# KiCad board AudioInputPCB_Unbalanced.kicad_pcb
title: Unbalanced Analog Audio Input Board for Small DSP; date: 2024-04-21; rev: 2.0; company: Till Heuer
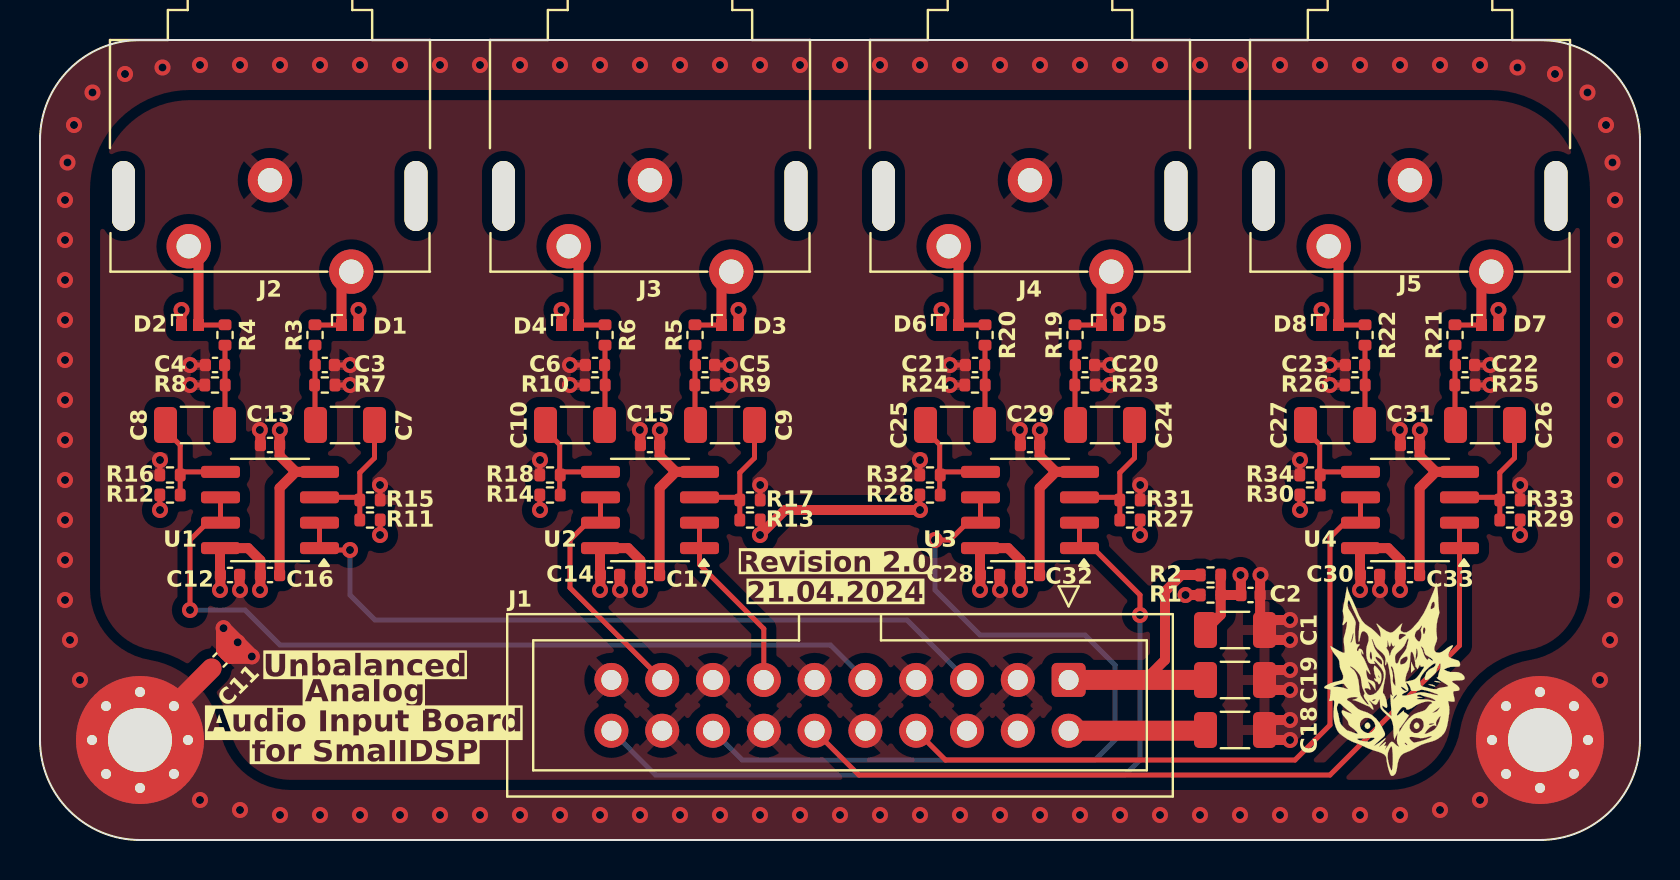
[diagram p0: board, top side]
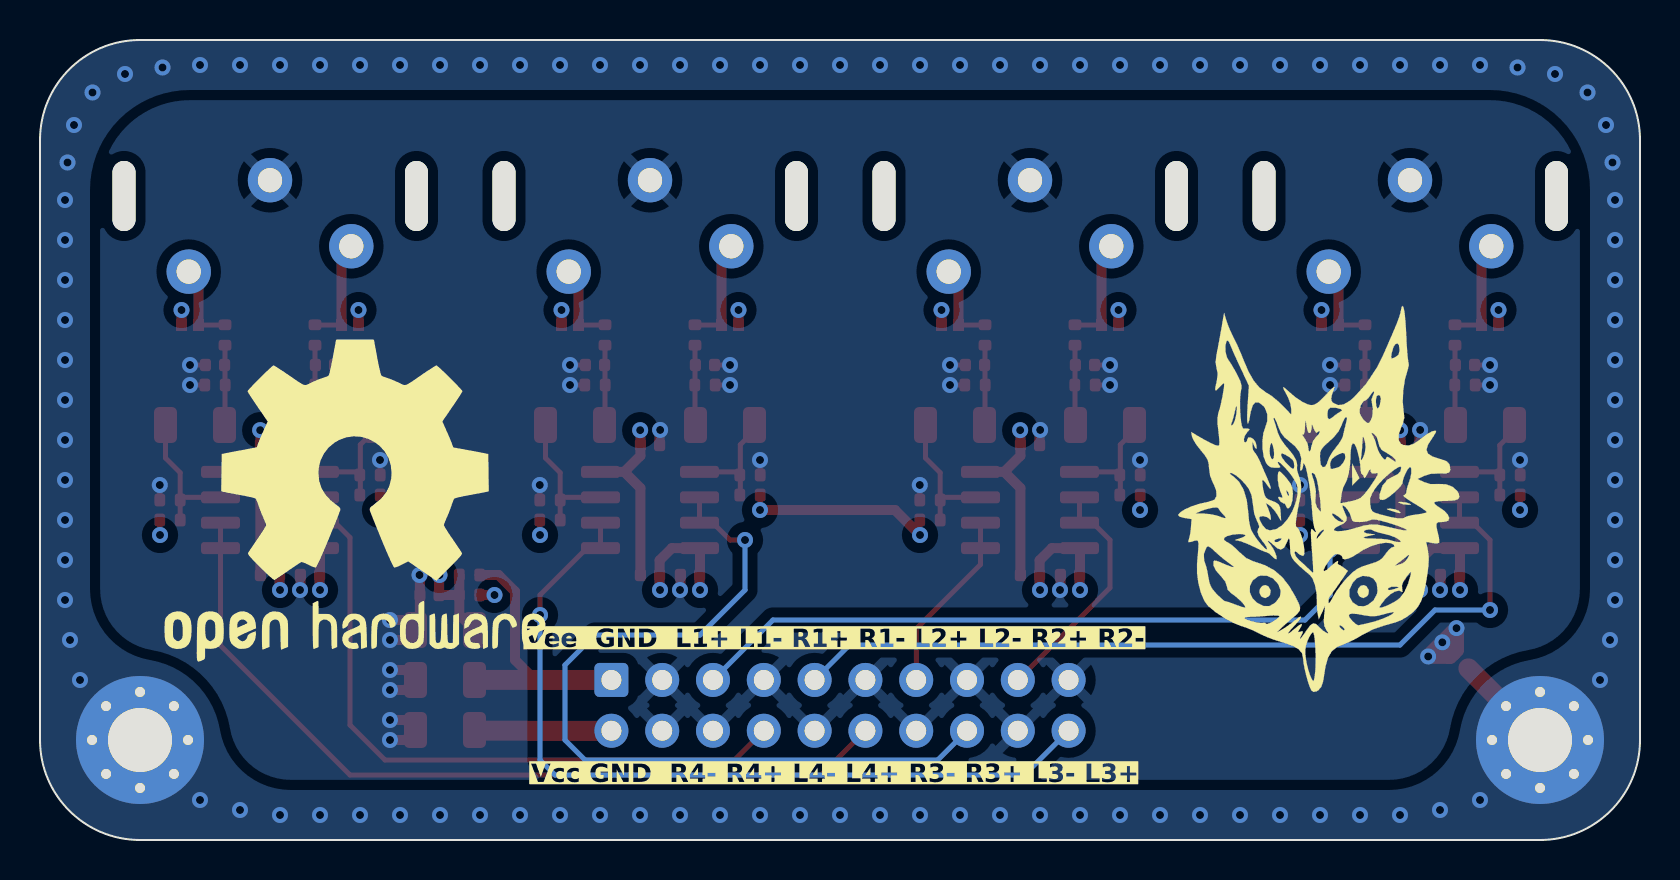
[diagram p1: board, bottom side, seen from below]

Outline 80 x 40 mm; copper layers: Top, In1.Cu, In2.Cu, Bottom. Coordinates in mm from the lower left corner of the outline.
Outline path: 0,35 0,5 arc(1.46,1.46) 5,0 75,0 arc(78.54,1.46) 80,5 80,35 arc(78.54,38.54) 75,40 5,40 arc(1.46,38.54) 0,35
Stack: Top 0.035mm / dielectric 0.1mm FR4 er 4.5 / In1.Cu 0.035mm / dielectric 1.24mm FR4 er 4.5 / In2.Cu 0.035mm / dielectric 0.1mm FR4 er 4.5 / Bottom 0.035mm

## Placement (name value [footprint] x y rotation side)
C1  10u  [C_1206_3216Metric]  59.75 10.5 180 top  (not fitted)
C2  100n  [C_0402_1005Metric]  60.53 12.25 0 top  (not fitted)
C3  100p  [C_0402_1005Metric]  14.24 23.75 180 top
C4  100p  [C_0402_1005Metric]  8.75 23.75 0 top
C5  100p  [C_0402_1005Metric]  33.25 23.75 180 top
C6  100p  [C_0402_1005Metric]  27.75 23.75 0 top
C7  10u  [C_1206_3216Metric]  15.25 20.75 0 top
C8  10u  [C_1206_3216Metric]  7.75 20.75 180 top
C9  10u  [C_1206_3216Metric]  34.25 20.75 0 top
C10  10u  [C_1206_3216Metric]  26.75 20.75 180 top
C11  100n  [C_0402_1005Metric]  9 9 45 top
C12  100n  [C_0402_1005Metric]  9.5 13.25 0 top
C13  100n  [C_0402_1005Metric]  11.5 19.75 0 top
C14  100n  [C_0402_1005Metric]  28.5 13.25 0 top
C15  100n  [C_0402_1005Metric]  30.5 19.75 0 top
C16  100n  [C_0402_1005Metric]  11.5 13.25 0 top
C17  100n  [C_0402_1005Metric]  30.5 13.25 0 top
C18  10u  [C_1206_3216Metric]  59.75 5.5 180 top
C19  10u  [C_1206_3216Metric]  59.75 8 0 top
C20  100p  [C_0402_1005Metric]  52.25 23.75 180 top
C21  100p  [C_0402_1005Metric]  46.75 23.75 0 top
C22  100p  [C_0402_1005Metric]  71.25 23.75 180 top
C23  100p  [C_0402_1005Metric]  65.75 23.75 0 top
C24  10u  [C_1206_3216Metric]  53.25 20.75 0 top
C25  10u  [C_1206_3216Metric]  45.75 20.75 180 top
C26  10u  [C_1206_3216Metric]  72.25 20.75 0 top
C27  10u  [C_1206_3216Metric]  64.75 20.75 180 top
C28  100n  [C_0402_1005Metric]  47.5 13.25 0 top
C29  100n  [C_0402_1005Metric]  49.5 19.75 0 top
C30  100n  [C_0402_1005Metric]  66.5 13.25 0 top
C31  100n  [C_0402_1005Metric]  68.5 19.75 0 top
C32  100n  [C_0402_1005Metric]  49.5 13.25 0 top
C33  100n  [C_0402_1005Metric]  68.5 13.25 0 top
D1  PESD18VF1BL  [DFN1006-2]  15.5 25.75 0 top
D2  PESD18VF1BL  [DFN1006-2]  7.5 25.75 0 top
D3  PESD18VF1BL  [DFN1006-2]  34.5 25.75 0 top
D4  PESD18VF1BL  [DFN1006-2]  26.5 25.75 0 top
D5  PESD18VF1BL  [DFN1006-2]  53.5 25.75 0 top
D6  PESD18VF1BL  [DFN1006-2]  45.5 25.75 0 top
D7  PESD18VF1BL  [DFN1006-2]  72.5 25.75 0 top
D8  PESD18VF1BL  [DFN1006-2]  64.5 25.75 0 top
G***  LOGO  [Strix_paint_600dpi]  67.75 8 0 top
G***#2  LOGO  [OpenHardware_600dpi]  64.25 17 180 bottom
G***#3  LOGO  [Strix_paint_300dpi]  16 17 180 bottom
H1  MountingHole_Pad  [MountingHole_3.2mm_M3_Pad_Via]  5 5 0 top
H2  MountingHole_Pad  [MountingHole_3.2mm_M3_Pad_Via]  75 5 0 top
J1  IDC  [IDC-Header_2x10_P2.54mm_Vertical]  51.43 8 270 top
J2  RCA x2  [Kobiconn_156-4219-E]  11.5 40 0 top
J3  RCA x2  [Kobiconn_156-4219-E]  30.5 40 0 top
J4  RCA x2  [Kobiconn_156-4219-E]  49.5 40 0 top
J5  RCA x2  [Kobiconn_156-4219-E]  68.5 40 0 top
R1  10k  [R_0402_1005Metric]  58.53 12.25 0 top  (not fitted)
R2  10k  [R_0402_1005Metric]  58.53 13.25 180 top  (not fitted)
R3  100R  [R_0402_1005Metric]  13.75 25.25 270 top
R4  100R  [R_0402_1005Metric]  9.25 25.25 270 top
R5  100R  [R_0402_1005Metric]  32.75 25.25 270 top
R6  100R  [R_0402_1005Metric]  28.25 25.25 270 top
R7  220k  [R_0402_1005Metric]  14.24 22.75 0 top
R8  220k  [R_0402_1005Metric]  8.75 22.75 180 top
R9  220k  [R_0402_1005Metric]  33.25 22.75 0 top
R10  220k  [R_0402_1005Metric]  27.75 22.75 180 top
R11  100k  [R_0402_1005Metric]  16.5 16 0 top  (not fitted)
R12  100k  [R_0402_1005Metric]  6.5 17.25 180 top  (not fitted)
R13  100k  [R_0402_1005Metric]  35.5 16 0 top  (not fitted)
R14  100k  [R_0402_1005Metric]  25.5 17.25 180 top  (not fitted)
R15  100k  [R_0402_1005Metric]  16.5 17 0 top
R16  100k  [R_0402_1005Metric]  6.5 18.25 180 top
R17  100k  [R_0402_1005Metric]  35.5 17 0 top
R18  100k  [R_0402_1005Metric]  25.5 18.25 180 top
R19  100R  [R_0402_1005Metric]  51.75 25.25 270 top
R20  100R  [R_0402_1005Metric]  47.25 25.25 270 top
R21  100R  [R_0402_1005Metric]  70.75 25.25 270 top
R22  100R  [R_0402_1005Metric]  66.25 25.25 270 top
R23  220k  [R_0402_1005Metric]  52.25 22.75 0 top
R24  220k  [R_0402_1005Metric]  46.75 22.75 180 top
R25  220k  [R_0402_1005Metric]  71.25 22.75 0 top
R26  220k  [R_0402_1005Metric]  65.75 22.75 180 top
R27  100k  [R_0402_1005Metric]  54.5 16 0 top  (not fitted)
R28  100k  [R_0402_1005Metric]  44.5 17.25 180 top  (not fitted)
R29  100k  [R_0402_1005Metric]  73.5 16 0 top  (not fitted)
R30  100k  [R_0402_1005Metric]  63.5 17.25 180 top  (not fitted)
R31  100k  [R_0402_1005Metric]  54.5 17 0 top
R32  100k  [R_0402_1005Metric]  44.5 18.25 180 top
R33  100k  [R_0402_1005Metric]  73.5 17 0 top
R34  100k  [R_0402_1005Metric]  63.5 18.25 180 top
U1  NE5532  [SOIC-8_3.9x4.9mm_P1.27mm]  11.5 16.5 180 top
U2  NE5532  [SOIC-8_3.9x4.9mm_P1.27mm]  30.5 16.5 180 top
U3  NE5532  [SOIC-8_3.9x4.9mm_P1.27mm]  49.5 16.5 180 top
U4  NE5532  [SOIC-8_3.9x4.9mm_P1.27mm]  68.5 16.5 180 top

## Library data of the parts
C1 C7-C10 C18 C19 C24-C27 = -: Assembling: X; ki_fp_filters: C_*
C2 C16 C17 C32 C33 = -: Dielectric: X7R; Notes: -25%@10VDC; Rated Voltage: 50V; Assembling: X; Manufacturer: Samsung Electro-Mechanics; Part Number: CL05B104KB54PNC; Tolerance: 10%; LCSC Part #: C307331; ki_fp_filters: C_*
C3-C6 C20-C23 = -: Dielectric: C0G; Rated Voltage: 50V; Assembling: X; Manufacturer: FH (Guangdong Fenghua Advanced Tech); Part Number: 0402CG101J500NT; Tolerance: 5%; LCSC Part #: C1546; ki_fp_filters: C_*
C11-C15 C28-C31 = -: Assembling: X; Dielectric: X7R; LCSC Part #: C307331; Manufacturer: Samsung Electro-Mechanics; Notes: -25%@10VDC; Part Number: CL05B104KB54PNC; Rated Voltage: 50V; Tolerance: 10%; ki_fp_filters: C_*
D1 D3-D8 = -: Datasheet: https://www.lcsc.com/datasheet/lcsc_datasheet_2304140030_Nexperia-PESD18VF1BL_C265127.pdf; Description: Bidirectional TVS diode 18V working voltage; Assembling: X; LCSC Part #: C265127; Manufacturer: Nexperia; Notes: Alternative: C686660; ki_fp_filters: TO-???* *_Diode_* *SingleDiode* D_*
D2 = -: Datasheet: https://www.lcsc.com/datasheet/lcsc_datasheet_2304140030_Nexperia-PESD18VF1BL_C265127.pdf; Description: Bidirectional TVS diode 18V working voltage; Notes: Alternative: C686660; Assembling: X; Manufacturer: Nexperia; LCSC Part #: C265127; ki_fp_filters: TO-???* *_Diode_* *SingleDiode* D_*
H1 H2 = -: LCSC Part #: -; Manufacturer: -; Part Number: -; ki_fp_filters: MountingHole*Pad*
J1 = -: LCSC Part #: -; Manufacturer: Amphenol; Part Number: T821120A1S100CEU; ki_fp_filters: Connector*:*_2x??_*
J2-J5 = -: LCSC Part #: -; Manufacturer: Kobiconn; Part Number: 156-4219-E; ki_fp_filters: *BNC* *SMA* *SMB* *SMC* *Cinch* *LEMO*
R1 R2 = -: Assembling: X; Manufacturer: UNI-ROYAL(Uniroyal Elec); Rated Power: 62.5mW; Part Number: 0402WGF1002TCE; Tolerance: 1%; ki_fp_filters: R_*
R3-R6 R19-R22 = -: Assembling: X; Manufacturer: UNI-ROYAL(Uniroyal Elec); Part Number: 0402WGF1000TCE; Rated Power: 62.5mW; Tolerance: 1%; LCSC Part #: C25076; ki_fp_filters: R_*
R7 = -: Assembling: X; LCSC Part #: C25767; Manufacturer: UNI-ROYAL(Uniroyal Elec); Part Number: 0402WGF2203TCE; Rated Power: 62.5mW; Tolerance: 1%; ki_fp_filters: R_*
R8-R10 R23-R26 = -: Assembling: X; Manufacturer: UNI-ROYAL(Uniroyal Elec); Rated Power: 62.5mW; Part Number: 0402WGF2203TCE; Tolerance: 1%; LCSC Part #: C25767; ki_fp_filters: R_*
R11-R18 R27-R34 = -: Assembling: X; Manufacturer: UNI-ROYAL(Uniroyal Elec); Rated Power: 62.5mW; Part Number: 0402WGF1003TCE; Tolerance: 1%; ki_fp_filters: R_*
U1 = -: Manufacturer: Texas Instruments; Part Number: NE5532DR; Assembling: X; LCSC Part #: C7426; ki_fp_filters: SOIC*3.9x4.9mm*P1.27mm* DIP*W7.62mm* MSOP*3x3mm*P0.65mm* SSOP*2.95x2.8mm*P0.65mm* TSSOP*3x3mm*P0.65mm* VSSOP*P0.5mm* TO?99*
U2-U4 = -: Assembling: X; LCSC Part #: C7426; Manufacturer: Texas Instruments; Part Number: NE5532DR; ki_fp_filters: SOIC*3.9x4.9mm*P1.27mm* DIP*W7.62mm* MSOP*3x3mm*P0.65mm* SSOP*2.95x2.8mm*P0.65mm* TSSOP*3x3mm*P0.65mm* VSSOP*P0.5mm* TO?99*

## Footprints (pads in the part's own frame, mm; a bottom-side part is the same pattern mirrored in y, then rotated)
C_0402_1005Metric
  rrect 0.56x0.62 smd: 1(-0.48,0) 2(0.48,0)
C_1206_3216Metric
  rrect 1.15x1.8 smd: 1(-1.475,0) 2(1.475,0)
DFN1006-2
  rect 0.55x0.6 smd: 1(-0.425,0) 2(0.425,0)
IDC-Header_2x10_P2.54mm_Vertical
  rrect 1.7x1.7 hole 1: 1(0,0)
  round 1.7 hole 1: 2(2.54,0) 3(0,-2.54) 4(2.54,-2.54) 5(0,-5.08) 6(2.54,-5.08) 7(0,-7.62) 8(2.54,-7.62) 9(0,-10.16) 10(2.54,-10.16) 11(0,-12.7) 12(2.54,-12.7) 13(0,-15.24) 14(2.54,-15.24) 15(0,-17.78) 16(2.54,-17.78) 17(0,-20.32) 18(2.54,-20.32) 19(0,-22.86) 20(2.54,-22.86)
Kobiconn_156-4219-E
  oval 1.15x3.5 hole 1.15x3.5 unplated: (-7.325,-7.8) (7.3,-7.8)
  round 2.219 hole 1.219: 1(4.064,-11.582) 2(-4.064,-10.312) 3(0,-7.01)
MountingHole_3.2mm_M3_Pad_Via
  round 0.8 hole 0.5: 1(-2.4,0) 1(-1.697,1.697) 1(-1.697,-1.697) 1(0,2.4) 1(0,-2.4) 1(1.697,1.697) 1(1.697,-1.697) 1(2.4,0)
  round 6.4 hole 3.2: 1(0,0)
R_0402_1005Metric
  rrect 0.54x0.64 smd: 1(-0.51,0) 2(0.51,0)
SOIC-8_3.9x4.9mm_P1.27mm
  rrect 1.95x0.6 smd: 1(-2.475,1.905) 2(-2.475,0.635) 3(-2.475,-0.635) 4(-2.475,-1.905) 5(2.475,-1.905) 6(2.475,-0.635) 7(2.475,0.635) 8(2.475,1.905)

## Nets
GND: C1.1 C2.2 C3.1 C4.1 C5.1 C6.1 C11.2 C12.2 C13.1 C14.2 C15.1 C18.1 C19.2 C20.1 C21.1 C22.1 C23.1 C28.2 C29.1 C30.2 C31.1 J1.3 J1.4 J1.6 J1.7 J1.10 J1.11 J1.14 J1.15 J1.18 J1.19 J2.3 J3.3 J4.3 J5.3 R7.2 R8.2 R9.2 R10.2 R15.2 R16.2 R17.2 R18.2 R23.2 R24.2 R25.2 R26.2 R31.2 R32.2 R33.2 R34.2
VCC: C12.1 C14.1 C16.1 C17.1 C18.2 C28.1 C30.1 C32.1 C33.1 J1.2 R1.1 U1.8 U2.8 U3.8 U4.8
VEE: C13.2 C15.2 C16.2 C17.2 C19.1 C29.2 C31.2 C32.2 C33.2 J1.1 R2.2 U1.4 U2.4 U3.4 U4.4
/In L1+: J1.5 U1.1 U1.2
/In L2+: J1.13 U2.1 U2.2
/In L3+: J1.20 U3.1 U3.2
/In L4+: J1.12 U4.1 U4.2
/In R1+: J1.9 U1.6 U1.7
/In R2+: J1.17 U2.6 U2.7
/In R3+: J1.16 U3.6 U3.7
/In R4+: J1.8 U4.6 U4.7
Earth_Protective: C11.1 D1.2 D2.1 D3.2 D4.1 D5.2 D6.1 D7.2 D8.1 H1.1 H2.1
VCOM: C1.2 C2.1 R1.2 R2.1 R11.2 R12.2 R13.2 R14.2 R27.2 R28.2 R29.2 R30.2
Net-(C3-Pad2): C3.2 C7.1 R3.2 R7.1
Net-(C4-Pad2): C4.2 C8.1 R4.2 R8.1
Net-(C5-Pad2): C5.2 C9.1 R5.2 R9.1
Net-(C10-Pad1): C6.2 C10.1 R6.2 R10.1
Net-(C20-Pad2): C20.2 C24.1 R19.2 R23.1
Net-(C21-Pad2): C21.2 C25.1 R20.2 R24.1
Net-(C22-Pad2): C22.2 C26.1 R21.2 R25.1
Net-(C23-Pad2): C23.2 C27.1 R22.2 R26.1
Net-(D1-A1): D1.1 J2.1 R3.1
Net-(D2-A2): D2.2 J2.2 R4.1
Net-(D3-A1): D3.1 J3.1 R5.1
Net-(D4-A2): D4.2 J3.2 R6.1
Net-(D5-A1): D5.1 J4.1 R19.1
Net-(D6-A2): D6.2 J4.2 R20.1
Net-(D7-A1): D7.1 J5.1 R21.1
Net-(D8-A2): D8.2 J5.2 R22.1
Net-(U1A-+): C7.2 R11.1 R15.1 U1.3
Net-(U1B-+): C8.2 R12.1 R16.1 U1.5
Net-(U2A-+): C9.2 R13.1 R17.1 U2.3
Net-(U2B-+): C10.2 R14.1 R18.1 U2.5
Net-(U3A-+): C24.2 R27.1 R31.1 U3.3
Net-(U3B-+): C25.2 R28.1 R32.1 U3.5
Net-(U4A-+): C26.2 R29.1 R33.1 U4.3
Net-(U4B-+): C27.2 R30.1 R34.1 U4.5

## Via types
v1: diameter 0.8, hole 0.4, Top to Bottom, 178 vias

## Routing (per net, layer and track width the routed paths; a pad name or vN(x,y) marks a point on that pad's centre or on a via; arc(x,y) is an arc through that point)
GND: length 41.3
  Top w0.25: R8.2 v1(7.5,22.75) ; R18.2 24.99,18.99 v1(25,19) ; R16.2 5.99,18.99 v1(6,19) ; 52.75,22.75 v1(53.5,22.75) ; R32.2 43.99,18.99 v1(44,19) ; R24.2 v1(45.5,22.75) ; C4.1 v1(7.5,23.75) ; R10.2 v1(26.5,22.75) ; C23.1 v1(64.5,23.75) ; C6.1 v1(26.5,23.75) ; v1(74.01,17.75) R33.2 ; C21.1 v1(45.5,23.75) ; 33.75,22.75 v1(34.5,22.75) ; v1(55.01,17.75) R31.2 ; v1(63,19) 62.99,18.99 R34.2 ; C3.1 v1(15.5,23.75) ; 71.75,22.75 v1(72.5,22.75) ; 71.72,23.75 v1(72.5,23.75) ; R7.2 v1(15.5,22.75) ; 52.72,23.75 v1(53.5,23.75) ; v1(36.01,17.75) R17.2 ; R26.2 v1(64.5,22.75) ; v1(17,17.75) 17.01,17.74 R15.2 ; 33.72,23.75 v1(34.5,23.75)
  Top w0.5: C30.2 66.98,12.52 ; C13.1 11.02,20.48 v1(10.99,20.5) ; v1(62.5,10) 61.73,10 C1.1 ; C14.2 28.98,12.52 ; C1.1 61.73,11 v1(62.5,11) ; C1.1 61.01,10.72 C2.2 61,13.23 v1(61.03,13.25) ; v1(62.5,5) 61.73,5 C18.1 61.73,6 v1(62.5,6) ; C15.1 30.02,20.48 v1(29.99,20.5) ; C28.2 47.98,12.52 ; v1(62.5,8.5) 61.73,8.5 C19.2 61.73,7.5 v1(62.5,7.5) ; C29.1 49.02,20.48 v1(48.99,20.5) ; v1(67.99,20.5) 68.02,20.48 C31.1 ; C12.2 9.98,12.52
  Top w0.75: C11.2 9.5,9.18 v1(10.59,9.18) v1(9.18,10.59) 9.18,9.5 C11.2 ; C11.2 v1(9.88,9.88)
  vias: v1(10,12.5) v1(29,12.5) v1(48,12.5) v1(67,12.5)
VCC: length 30.3
  Top w0.5: 47.03,14.59 48.41,14.59 49.02,13.98 C32.1 49.02,12.52 v1(49,12.5) ; 66,13.27 66,14.47 ; v1(11,12.5) 11.02,12.52 C16.1 11.02,13.98 10.41,14.59 U1.8 ; C12.1 9.02,12.52 ; v1(68,12.5) 68.02,12.52 C33.1 68.02,13.98 67.41,14.59 66.03,14.59 ; 9,13.27 9,14.47 ; 47,13.27 47,14.47 ; 28.03,14.59 29.41,14.59 30.02,13.98 C17.1 30.02,12.52 v1(30,12.5) ; 28,13.27 28,14.47 ; C28.1 47.02,12.52 ; C14.1 28.02,12.52 ; C30.1 66.02,12.52 ; R1.1 v1(57.28,12.25)
  Top w1: J1.2 58.24,5.46 C18.2
  vias: v1(9,12.5) v1(28,12.5) v1(47,12.5) v1(66,12.5)
VEE: length 50.2
  Top w0.5: C16.2 11.98,17.6 12.78,18.41 ; v1(68.99,20.49) 68.98,20.48 C31.2 68.98,19.21 69.79,18.41 ; 69.79,18.41 U4.4 ; 69.79,18.41 68.98,17.6 C33.2 ; 12.78,18.41 U1.4 ; 12.78,18.41 11.98,19.21 C13.2 11.98,20.48 v1(11.99,20.49) ; v1(30.99,20.49) 30.98,20.48 C15.2 30.98,19.21 31.79,18.41 ; 50.79,18.41 49.98,17.6 C32.2 ; 50.79,18.41 49.98,19.21 C29.2 49.98,20.48 v1(49.99,20.49) ; 50.79,18.41 U3.4 ; 55.25,8 56.25,9 56.25,12.43 57.07,13.25 R2.2 ; C17.2 30.98,17.6 31.79,18.41 ; 31.79,18.41 U2.4
  Top w1: J1.1 58.27,8 C19.1
/In L1+: length 37.7
  Top w0.25: U1.2 U1.1 14.07,14.5 v1(15.5,14.5)
  Bottom w0.25: v1(15.5,14.5) 15.5,12.25 16.75,11 43.35,11 J1.5
/In L2+: length 9.2
  Top w0.25: J1.13 36.19,10.56 32.97,13.78 U2.1 U2.2
/In L3+: length 41.2
  Top w0.25: U3.2 U3.1 52.66,14.59 55,12.25 v1(55,11.25)
  Bottom w0.25: J1.20 30.78,3.25 54.25,3.25 55,4 v1(55,11.25)
/In L4+: length 42
  Top w0.25: J1.12 40.94,3.25 64.5,3.25 70.97,9.72 U4.1 U4.2
/In R1+: length 41.9
  Top w0.25: U1.6 U1.7 8.36,15.86 7.5,15 v1(7.5,11.5)
  Bottom w0.25: v1(7.5,11.5) 10.25,11.5 12,9.75 39.52,9.75 J1.9
/In R2+: length 12.1
  Top w0.25: 28.03,17.14 28.03,15.86 ; J1.17 26.5,12.61 26.5,15 27.36,15.86 U2.7
/In R3+: length 41.8
  Top w0.25: 47.03,17.14 47.03,15.86 ; v1(44.75,15) 45.5,15 46.36,15.86 U3.7
  Bottom w0.25: v1(44.75,15) 44.75,12.5 47,10.25 52.25,10.25 53.75,8.75 53.75,5 52.75,4 35.11,4 J1.16
/In R4+: length 34.5
  Top w0.25: 66.03,17.14 66.03,15.86 ; J1.8 45.27,4 62.75,4 64.5,5.75 64.5,15.12 65.24,15.86 U4.7
Earth_Protective: length 10.1
  Top w0.5: v1(26.08,26.5) D4.1 ; v1(15.92,26.5) D1.2 ; v1(72.92,26.5) D7.2 ; v1(34.92,26.5) D3.2 ; v1(7.08,26.5) D2.1 ; v1(45.08,26.5) D6.1 ; v1(64.08,26.5) D8.1 ; v1(53.92,26.5) D5.2 ; 5.5,5.5 H1.1
  Top w1: 5.5,4.5 H1.1 ; H1.1 8.58,8.58
  vias: v1(1.25,32) v1(1.25,30) v1(1.25,28) v1(1.25,24) v1(1.25,22) v1(1.25,20) v1(1.25,18) v1(1.25,16) v1(1.25,14) v1(1.25,12) v1(1.25,26) v1(1.38,33.88) v1(1.5,10) v1(1.7,35.75) v1(2,8) v1(2.62,37.38) v1(4.25,38.3) v1(6.12,38.62) v1(8,38.75) v1(8,2) v1(10,38.75) v1(10,1.5) v1(12,38.75) v1(12,1.25) v1(14,38.75) v1(14,1.25) v1(16,38.75) v1(16,1.25) v1(18,38.75) v1(18,1.25) v1(20,38.75) v1(20,1.25) v1(22,38.75) v1(22,1.25) v1(24,38.75) v1(24,1.25) v1(26,38.75) v1(26,1.25) v1(28,38.75) v1(28,1.25) v1(30,38.75) v1(30,1.25) v1(32,38.75) v1(32,1.25) v1(34,38.75) v1(34,1.25) v1(36,38.75) v1(36,1.25) v1(38,38.75) v1(38,1.25) v1(40,38.75) v1(40,1.25) v1(42,38.75) v1(42,1.25) v1(44,38.75) v1(44,1.25) v1(46,38.75) v1(46,1.25) v1(48,38.75) v1(48,1.25) v1(50,38.75) v1(50,1.25) v1(52,38.75) v1(52,1.25) v1(54,38.75) v1(54,1.25) v1(56,38.75) v1(56,1.25) v1(58,38.75) v1(58,1.25) v1(60,38.75) v1(60,1.25) v1(62,38.75) v1(62,1.25) v1(64,38.75) v1(64,1.25) v1(66,38.75) v1(66,1.25) v1(68,38.75) v1(68,1.25) v1(70,38.75) v1(70,1.5) v1(72,38.75) v1(72,2) v1(73.88,38.62) v1(75.75,38.3) v1(77.38,37.38) v1(78,8) v1(78.3,35.75) v1(78.5,10) v1(78.62,33.88) v1(78.75,22) v1(78.75,20) v1(78.75,18) v1(78.75,16) v1(78.75,14) v1(78.75,12) v1(78.75,32) v1(78.75,30) v1(78.75,28) v1(78.75,26) v1(78.75,24)
VCOM: length 88.6
  Top w0.25: R12.2 5.99,16.51 v1(6,16.5) ; v1(25,16.5) 24.99,16.51 R14.2 ; v1(74,15.25) 74.01,15.26 R29.2 ; R28.2 43.99,16.51 v1(44,16.5) ; R27.2 55.01,15.26 v1(55,15.25) ; R13.2 36.01,15.26 v1(36,15.25) ; v1(63,16.5) 62.99,16.51 R30.2 ; v1(17,15.25) 17.01,15.26 R11.2
  Top w0.5: C1.2 59.03,11.26 R1.2 ; v1(36,15.25) 37.25,16.5 v1(44,16.5) ; R1.2 60.04,12.25 60.04,13.23 v1(60.03,13.25) ; R1.2 R2.1
  In2.Cu w0.5: v1(60.03,13.25) 58.03,15.25 v1(55,15.25) ; v1(6,16.5) 15.75,16.5 v1(17,15.25) 18.25,16.5 v1(25,16.5) 34.75,16.5 v1(36,15.25) ; v1(55,15.25) 53.75,16.5 v1(44,16.5) ; v1(55,15.25) 56.25,16.5 v1(63,16.5) 72.75,16.5 v1(74,15.25)
Net-(C3-Pad2): length 4
  Top w0.25: C7.1 13.75,20.77 R3.2
Net-(C4-Pad2): length 4
  Top w0.25: R4.2 9.25,20.77 C8.1
Net-(C5-Pad2): length 4
  Top w0.25: R5.2 32.75,20.77 C9.1
Net-(C10-Pad1): length 4
  Top w0.25: R6.2 28.25,20.77 C10.1
Net-(C20-Pad2): length 4
  Top w0.25: C24.1 51.75,20.77 R19.2
Net-(C21-Pad2): length 4
  Top w0.25: R20.2 47.25,20.77 C25.1
Net-(C22-Pad2): length 4
  Top w0.25: C26.1 70.75,20.77 R21.2
Net-(C23-Pad2): length 4
  Top w0.25: R22.2 66.25,20.77 C27.1
Net-(D1-A1): length 4.2
  Top w0.25: R3.1 13.76,25.75 D1.1
  Top w0.5: J2.1 15.08,27.93 D1.1
Net-(D2-A2): length 5.5
  Top w0.25: D2.2 9.24,25.75 R4.1
  Top w0.5: D2.2 7.92,29.2 J2.2
Net-(D3-A1): length 4.4
  Top w0.25: R5.1 32.76,25.75 D3.1 33.95,25.88
  Top w0.5: D3.1 34.08,27.93 J3.1
Net-(D4-A2): length 5.6
  Top w0.25: 27.05,25.88 D4.2 28.24,25.75 R6.1
  Top w0.5: J3.2 26.92,29.2 D4.2
Net-(D5-A1): length 4.4
  Top w0.25: 52.95,25.88 D5.1 51.76,25.75 R19.1
  Top w0.5: 53.07,25.75 53.07,27.93 ; 53.08,27.93 J4.1
Net-(D6-A2): length 5.6
  Top w0.25: R20.1 47.24,25.75 D6.2 46.05,25.88
  Top w0.5: J4.2 45.92,29.2 D6.2
Net-(D7-A1): length 4.4
  Top w0.25: 71.95,25.88 D7.1 70.76,25.75 R21.1
  Top w0.5: 72.08,27.93 J5.1 ; 72.07,25.75 72.07,27.93
Net-(D8-A2): length 5.6
  Top w0.25: R22.1 66.24,25.75 D8.2 65.05,25.88
  Top w0.5: J5.2 64.93,29.2 64.93,25.75 D8.2
Net-(U1A-+): length 7.1
  Top w0.25: R15.1 15.86,17.14 U1.3 ; R11.1 15.99,18.36 16.73,19.1 C7.2
Net-(U1B-+): length 5.6
  Top w0.25: R12.1 7.01,19.74 6.27,20.48 ; U1.5 7.16,18.41 R16.1
Net-(U2A-+): length 7.1
  Top w0.25: R13.1 34.99,18.36 35.73,19.1 35.73,20.75 ; U2.3 34.86,17.14 R17.1
Net-(U2B-+): length 5.6
  Top w0.25: R18.1 26.17,18.41 28.03,18.41 ; 25.25,20.5 25.98,19.77 25.98,17.27
Net-(U3A-+): length 7.1
  Top w0.25: R31.1 53.86,17.14 U3.3 ; 54.73,20.75 54.73,19.1 53.99,18.36 R27.1
Net-(U3B-+): length 5.6
  Top w0.25: 44.25,20.5 44.98,19.77 44.98,17.27 ; 47.03,18.41 45.17,18.41 R32.1
Net-(U4A-+): length 7.1
  Top w0.25: R29.1 72.99,18.36 73.73,19.1 73.73,20.75 ; R33.1 72.86,17.14 U4.3
Net-(U4B-+): length 5.6
  Top w0.25: 63.99,17.27 63.99,19.77 63.25,20.5 ; 66.03,18.41 64.16,18.41 R34.1

## Copper pours and planes (outline as drawn; the poured copper is in the pictures)
GND on Top, Bottom, In1.Cu: 80,40 80,0 0,0 0,40
VCC on In2.Cu: 80,15.25 44.5,15.25 44.5,11.74 56.25,11.74 56.25,6.5 30.5,6.5 30.5,15.25 0,15.25 0,0 80,0
VEE on In2.Cu: 0,40 0,15.75 30.5,15.75 30.5,7 55.75,7.01 55.75,11.25 43.75,11.25 43.75,15.75 80,15.75 80,40
Earth_Protective on Top, Bottom, In1.Cu, In2.Cu: 80,40 80,0 0,0 0,40 65,40 65,37.5 2.5,37.5 2.5,9.5 8.5,8.5 9.5,2.5 70.5,2.5 71.5,8.5 77.5,9.5 77.5,37.5 65,37.5 65,40
Earth_Protective on In2.Cu: 0,40 0,25 80,25 80,40

## Text on the board
B.Silkscreen: Vee  GND  L1+ L1- R1+ R1- L2+ L2- R2+ R2- | Vcc GND  R4- R4+ L4- L4+ R3- R3+ L3- L3+
F.Silkscreen: Revision 2.0 | 21.04.2024 | Unbalanced | Analog | Audio Input Board | for SmallDSP
